# KiCad board uaeficopiedtovfr.kicad_pcb
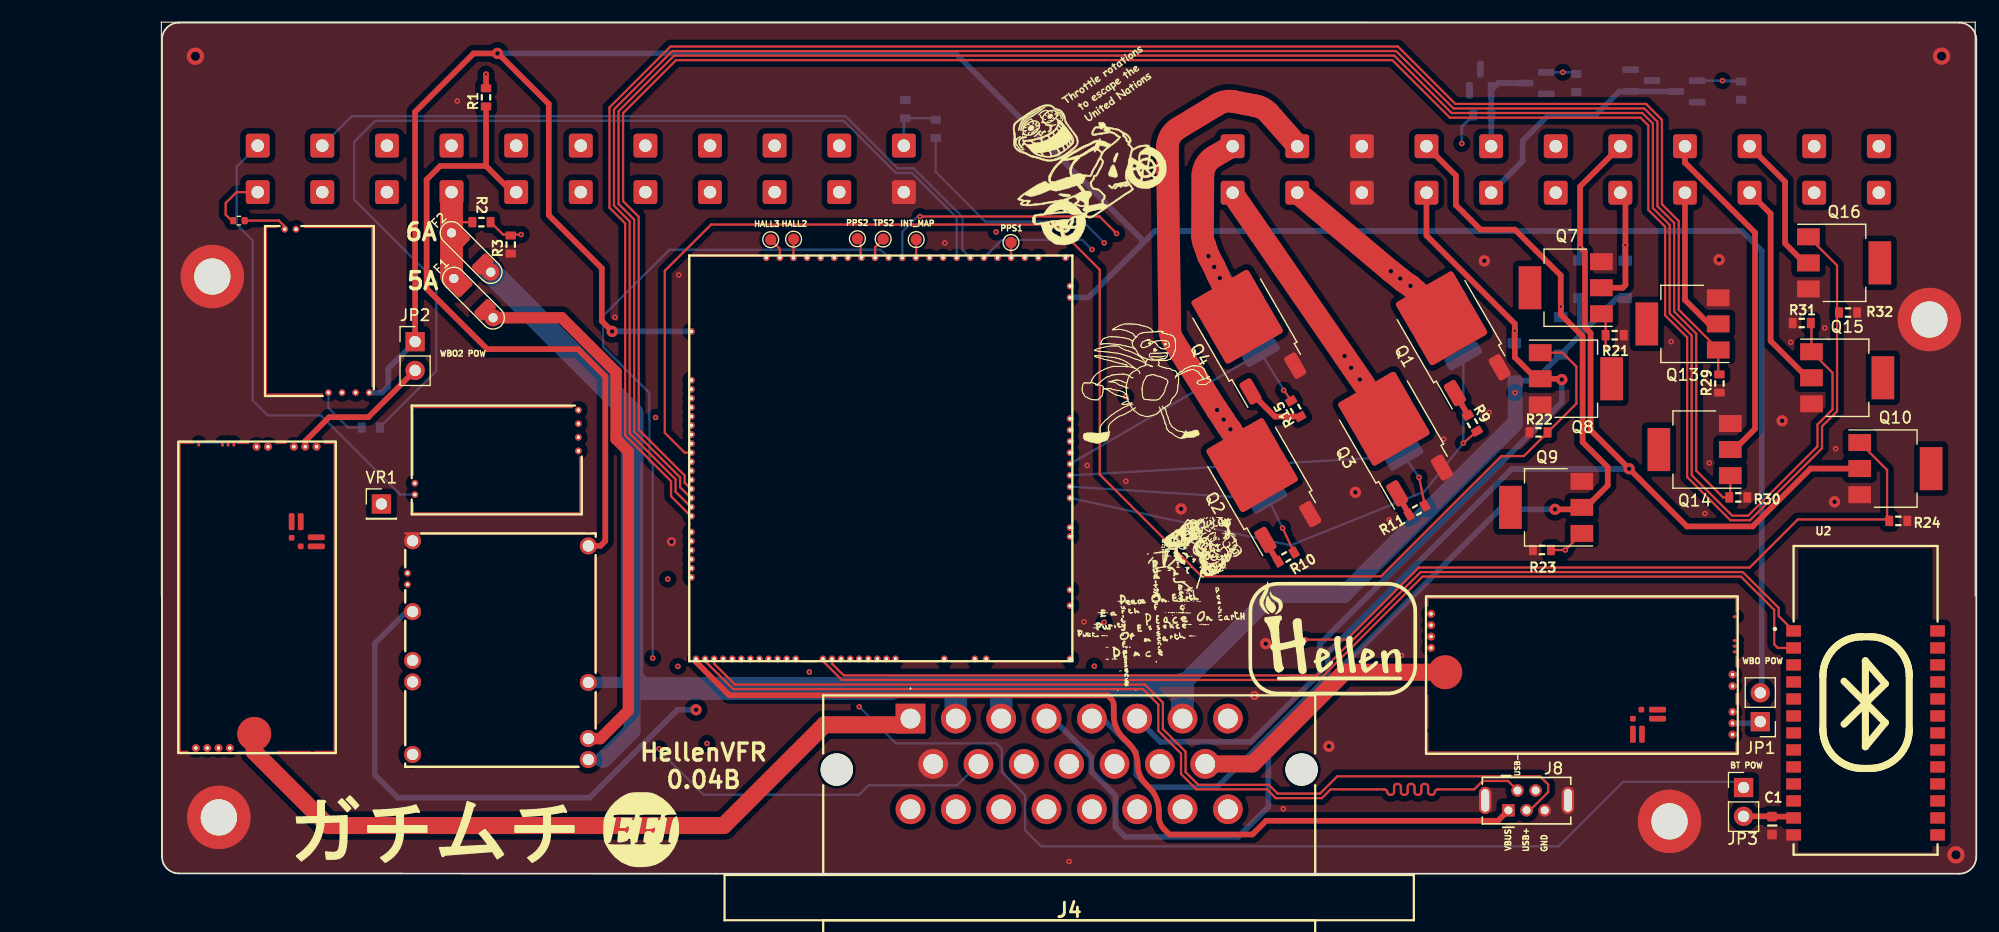
[diagram p0: board, top side]
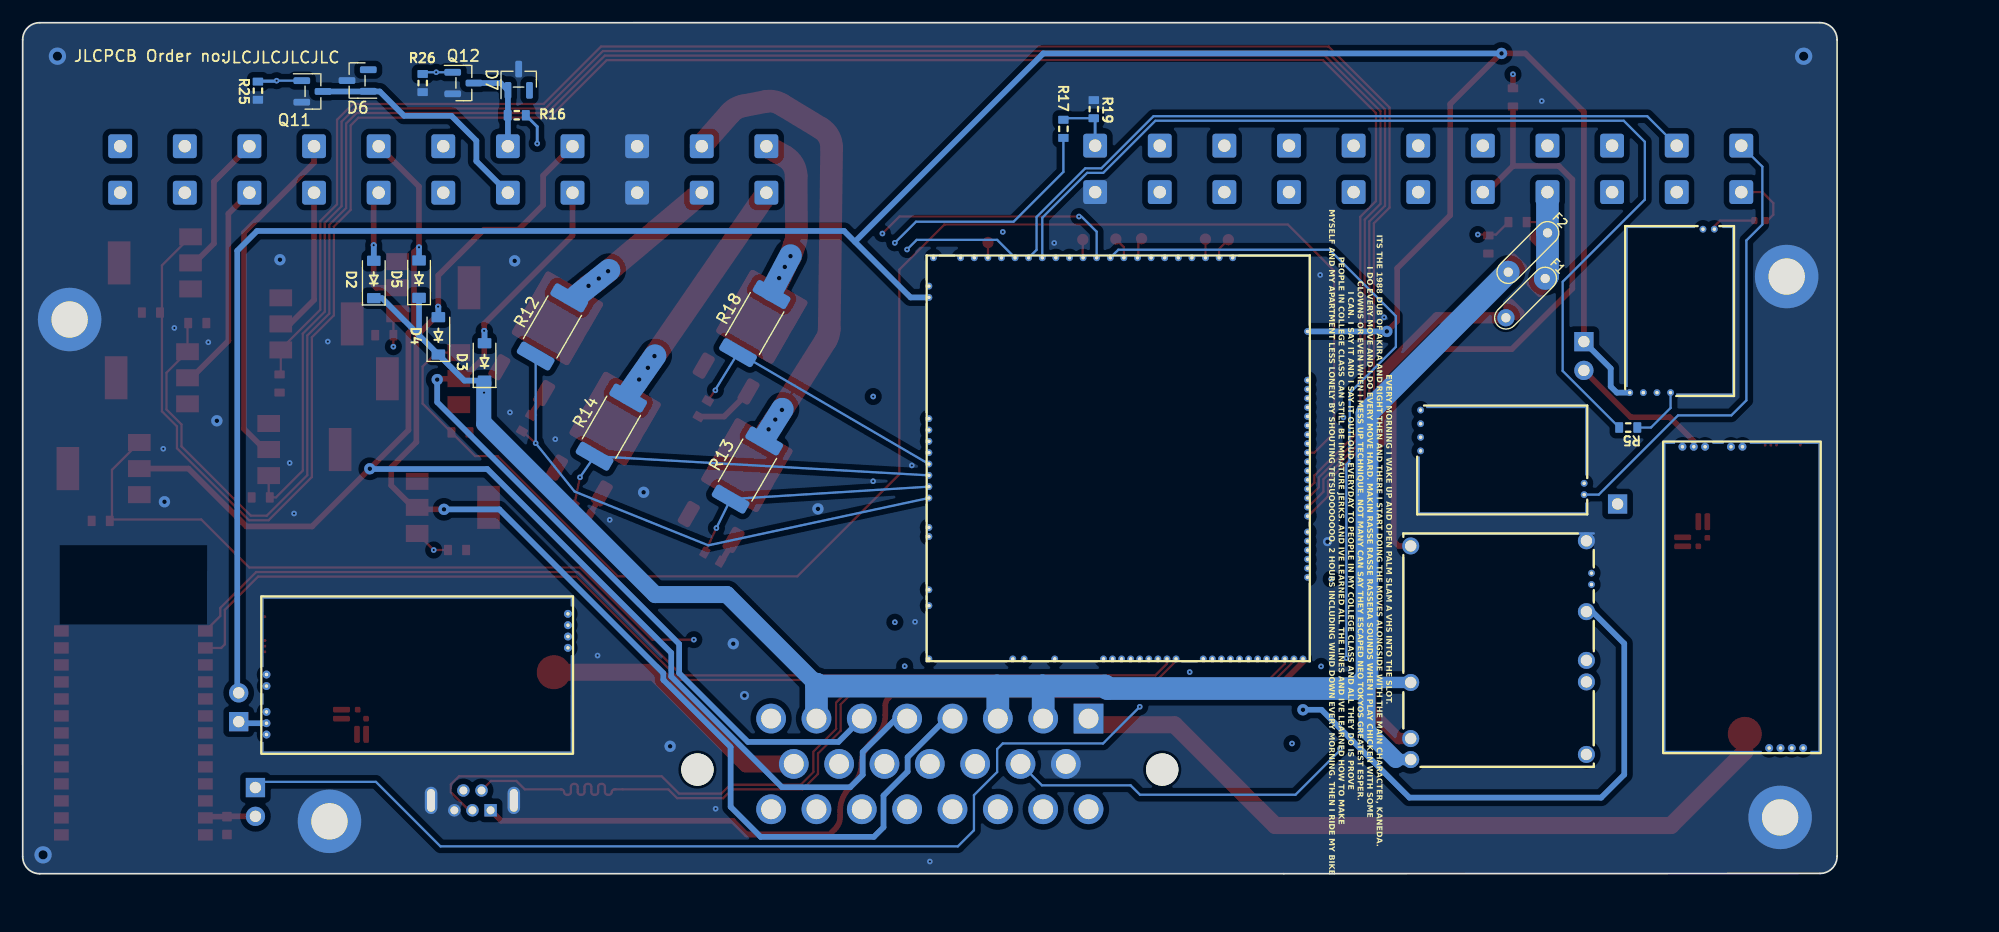
[diagram p1: board, bottom side, seen from below]

Outline 160.05 x 75.1 mm; copper layers: Top, In1.Cu, In2.Cu, Bottom. Coordinates in mm from the lower left corner of the outline.
Outline path: 0,73.6 0,1.52 arc(0.44,0.46) 1.5,0.02 48.8,0 158.54,0 arc(159.6,0.44) 160.04,1.5 160.05,73.6 arc(159.61,74.66) 158.55,75.1 1.5,75.1 arc(0.44,74.66) 0,73.6
Stack: Top 0.035mm / dielectric 0.1mm FR4 er 4.5 / In1.Cu 0.035mm / dielectric 1.24mm FR4 er 4.5 / In2.Cu 0.035mm / dielectric 0.1mm FR4 er 4.5 / Bottom 0.035mm

## Placement (name value [footprint] x y rotation side)
C1  100n  [C0603]  142.03 4.25 90 top
D2  B5819W  [SOD-123]  129.07 52.44 90 bottom
D3  B5819W  [SOD-123]  119.31 45.16 90 bottom
D4  B5819W  [SOD-123]  123.38 47.46 90 bottom
D5  B5819W  [SOD-123]  125.08 52.47 90 bottom
D6  PSM712-LF  [SOT-23]  130.5 70 0 bottom
D7  PSM712-LF  [SOT-23]  116.29 70.07 90 bottom
F1  12H1500D  [PAD-1206-PAD]  27.48 50.79 315 top
F2  12H1500D  [PAD-1206-PAD]  27.27 54.82 315 top
G3  RUSEFI_LOGO  [rusefi_logo]  42.28 3.85 0 top
G4  -  [LOGO]  103.59 20.67 0 top
H1  MountingHole_Pad  [MountingHole_3.2mm_M3_DIN965_Pad#2]  155.91 48.91 0 top
H2  MountingHole_Pad  [MountingHole_3.2mm_M3_DIN965_Pad]  4.45 52.65 0 top
H3  MountingHole_Pad  [MountingHole_3.2mm_M3_DIN965_Pad#2]  132.98 4.62 0 top
H4  MountingHole_Pad  [unnamed]  5.02 4.97 0 top
HALL2  -  [TestPoint_Pad_D1.0mm]  55.72 56 0 top
HALL3  -  [TestPoint_Pad_D1.0mm]  53.7 55.95 0 top
INT_MAP  -  [TestPoint_Pad_D1.0mm]  66.53 55.96 0 top
J4  1-776087-1  [17760871]  66.03 13.69 0 top
J8  USB_B_Mini  [USB-MINI-B-VERTICAL]  120.37 6.47 0 top
JP1  Jumper_2_Bridged  [PinHeader_1x02_P2.54mm_Vertical]  140.99 13.42 180 top
JP2  Jumper_2_Bridged  [PinHeader_1x02_P2.54mm_Vertical]  22.33 46.96 0 top
JP3  Jumper_2_Bridged  [PinHeader_1x02_P2.54mm_Vertical]  139.51 7.6 0 top
M1  Module-power_12and5V-0.2  [power_12and5V]  38.36 30.13 180 top
M3  Module-vr-discrete-0.4  [vr-discrete]  8.99 57.25 270 top
M4  Module-vr-max9924-0.1  [vr-max9924]  21.94 31.61 0 top
M5  Module-wbo-0.5  [wbo]  139.1 24.58 180 top
M6  Module:mega-mcu100/0.2  [mega-mcu100]  80.41 54.66 180 top
M7  Module-wbo-0.5  [wbo]  1.34 38.24 270 top
PPS1  -  [TestPoint_Pad_D1.0mm]  74.9 55.7 0 top
PPS2  -  [TestPoint_Pad_D1.0mm]  61.35 56.04 0 top
Q1  ISL9V3040D3S  [TO-252-2]  113.51 47.92 120 top
Q2  ISL9V3040D3S  [TO-252-2]  96.79 34.96 120 top
Q3  ISL9V3040D3S  [TO-252-2]  108.42 39.07 120 top
Q4  ISL9V3040D3S  [TO-252-2]  95.47 48.06 120 top
Q7  ZXMS6005SGTA  [SOT-223]  123.82 51.71 180 top
Q8  ZXMS6005SGTA  [SOT-223]  124.73 43.68 0 top
Q9  ZXMS6005SGTA  [SOT-223]  122.1 32.33 180 top
Q10  ZXMS6005SGTA  [SOT-223]  152.91 35.75 0 top
Q11  AO3400A  [SOT-23]  134.49 69.03 180 bottom
Q12  AO3400A  [SOT-23]  121.18 69.78 180 bottom
Q13  ZXMS6005SGTA  [SOT-223]  134.13 48.52 180 top
Q14  ZXMS6005SGTA  [SOT-223]  135.19 37.43 180 top
Q15  ZXMS6005SGTA  [SOT-223]  148.66 43.76 0 top
Q16  ZXMS6005SGTA  [SOT-223]  148.39 53.91 0 top
R1  4.7k  [R0603]  28.59 68.51 90 top
R2  33k  [R0603]  28.19 57.5 180 top
R3  6.8k  [R0603]  30.76 55.52 90 top
R5  0  [R0603]  18.42 39.38 0 bottom
R9  22  [R0603]  115.6 39.75 300 top
R10  22  [R0603]  99.18 27.95 30 top
R11  22  [R0603]  110.71 32.08 30 top
R12  0  [R_2512_6332Metric]  113.31 48.25 120 bottom
R13  0  [R_2512_6332Metric]  96.12 35.62 120 bottom
R14  0  [R_2512_6332Metric]  108.12 39.41 120 bottom
R15  22  [R0603]  100.01 41.04 120 top
R16  470k  [R0603]  116.46 66.93 180 bottom
R17  56k  [R0603]  68.25 65.73 270 bottom
R18  0  [R_2512_6332Metric]  95.47 48.55 120 bottom
R19  12k  [R0603]  65.56 67.47 270 bottom
R21  4.7k  [R0603]  128.15 47.53 180 top
R22  4.7k  [R0603]  121.43 38.94 0 top
R23  4.7k  [R0603]  121.73 28.57 0 top
R24  4.7k  [R0603]  153.16 31.14 180 top
R25  4.7k  [R0603]  139.3 69.1 270 bottom
R26  4.7k  [R0603]  124.76 69.78 270 bottom
R29  4.7k  [R0603]  137.39 43.26 90 top
R30  4.7k  [R0603]  139.05 33.21 180 top
R31  4.7k  [R0603]  144.65 48.6 0 top
R32  4.7k  [R0603]  148.73 49.52 180 top
REF**  -  [R_0402_1005Metric]  6.79 57.63 0 top
text1  ~  [trollfaceVFR]  77.45 58.18 5 top
TPS2  TestPoint_Pad_D1.0mm  [TestPoint_Pad_D1.0mm#2]  63.62 56.01 0 top
U1  ~  [VFRboardempty]  -0.05 75.15 0 top
U2  -  [JDY-33]  150.28 15.1 0 top
VR1  -  [PinHeader_1x01_P2.54mm_Vertical]  19.36 32.63 0 top

## Library data of the parts
C1 = -: LCSC: C14663
D2-D5 = -: LCSC: C8598
D6 D7 = -: Datasheet: https://datasheet.lcsc.com/lcsc/1811061632_ProTek-Devices-PSM712-LF-T7_C32677.pdf; LCSC: C32677; ki_fp_filters: SOT?223*
F1 F2 = -: LCSC: C182446
H1 = -: ki_fp_filters: MountingHole*Pad*
H2 H3 = -: Description: Mounting Hole with connection
J4 = -: Datasheet: https://www.te.com/commerce/DocumentDelivery/DDEController?Action=showdoc&DocId=Customer+Drawing%7F776087%7FF%7Fpdf%7FEnglish%7FENG_CD_776087_F.pdf%7F1-776087-1; Description: PCB Mount Header, Right Angle, Wire-to-Board, 23 Position, 4 mm [.157 in] Centerline, Fully Shrouded, Gold, Through Hole - Solder, Sealable, AMPSEAL; Arrow Price/Stock: https://www.arrow.com/en/products/1-776087-1/te-connectivity; Height: 32.1; Manufacturer_Name: TE Connectivity; Mouser Part Number: 571-1-776087-1; Mouser Price/Stock: https://www.mouser.co.uk/ProductDetail/TE-Connectivity-AMP/1-776087-1?qs=X1mjqRbeMc53hFH8ZlEyUw%3D%3D
J8 = -: MyComment: DNP; ki_fp_filters: USB*
JP1-JP3 = -: ki_fp_filters: Jumper* TestPoint*2Pads* TestPoint*Bridge*
M6 = -: FITTED: False; PUBLISHER: qwerty-off; SUPPLIER 1: Mouser; SUPPLIER 2: Digi-Key; SUPPLIER 3: LCSC; SUPPLIER PART NUMBER 1: *; SUPPLIER PART NUMBER 2: *; TYPE: Module; ki_fp_filters: MOD_Hellen_MEGA_MCU100_0.1
Q7-Q10 Q13-Q16 = -: Datasheet: https://www.diodes.com/assets/Datasheets/ds32249.pdf; LCSC: C174042; ki_fp_filters: SOT?223*
Q11 Q12 = -: LCSC: C20917; ki_fp_filters: TO?220*
R1 R5 = -: MyComment: DNP
R2 R17 = -: LCSC: C4216
R3 R19 = -: LCSC: C23212
R9-R11 R15 = -: LCSC: C23345
R12-R14 R18 = -: LCSC: C25469
R16 R21-R26 R29-R32 = -: LCSC: C23162
U2 = -: Datasheet: https://datasheet.lcsc.com/lcsc/2106070033_QIACHIP-WL9981TC_C2689544.pdf; MF: HuiCheng; PARTREV: v1.0; STANDARD: Manufacturer Recommendations

## Footprints (pads in the part's own frame, mm; a bottom-side part is the same pattern mirrored in y, then rotated)
17760871
  round 2.85 hole 2.85 unplated: (-6.5,-4.5) (34.5,-4.5)
  rect 2.625x2.625 hole 1.75: 1(0,0)
  round 2.625 hole 1.75: 2(4,0) 3(8,0) 4(12,0) 5(16,0) 6(20,0) 7(24,0) 8(28,0) 9(2,-4) 10(6,-4) 11(10,-4) 12(14,-4) 13(18,-4) 14(22,-4) 15(26,-4) 16(0,-8) 17(4,-8) 18(8,-8) 19(12,-8) 20(16,-8) 21(20,-8) 22(24,-8) 23(28,-8)
C0603
  rrect 0.85x0.85 smd: 1(-0.79,0) 2(0.79,0)
JDY-33
  rect 1.3x1 smd: 1(-6.35,6.325) 2(-6.35,4.825) 3(-6.35,3.325) 4(-6.35,1.825) 5(-6.35,0.325) 6(-6.35,-1.175) 7(-6.35,-2.675) 8(-6.35,-4.175) 9(-6.35,-5.675) 10(-6.35,-7.175) 11(-6.35,-8.675) 12(-6.35,-10.175) 13(-6.35,-11.675) 14(6.35,-11.675) 15(6.35,-10.175) 16(6.35,-8.675) 17(6.35,-7.175) 18(6.35,-5.675) 19(6.35,-4.175) 20(6.35,-2.675) 21(6.35,-1.175) 22(6.35,0.325) 23(6.35,1.825) 24(6.35,3.325) 25(6.35,4.825) 26(6.35,6.325)
mega-mcu100
  round 0.6 hole 0.3: E1(33.7,6.8) E2(33.7,11.1) E3(33.7,11.9) E4(33.7,12.7) E5(33.7,13.5) E6(33.7,14.3) E7(33.7,15.1) E8(33.7,15.9) E9(33.7,16.7) E10(33.7,17.5) E11(33.7,18.3) E12(33.7,19.1) E13(33.7,19.9) E14(33.7,20.7) E15(33.7,21.5) E16(33.7,22.3) E17(33.7,23.1) E18(33.7,24.5) E19(33.7,25.3) E20(33.7,26.1) E21(33.7,26.9) E22(33.7,27.7) E23(33.7,28.5) N1(33.3,35.7) N2(32.5,35.7) N3(31.7,35.7) N4(30.9,35.7) N5(30.1,35.7) N6(29.3,35.7) N7(28.5,35.7) N8(27.7,35.7) N9(26.9,35.7) N10(26.1,35.7) N11(25.3,35.7) N12(24.5,35.7) N13(22.1,35.7) N14(21.3,35.7) N14a(20.5,35.7) N14b(19.7,35.7) N15(18.9,35.7) N16(18.1,35.7) N17(17.3,35.7) N18(16.5,35.7) N19(15.7,35.7) N20(11.4,35.7) N21(8.7,35.7) N22(7.7,35.7) N23(0.3,35.7) S1(27.1,0.3) S2(25.9,0.3) S3(24.7,0.3) S4(23.5,0.3) S5(22.3,0.3) S6(21.1,0.3) S7(19.9,0.3) S8(18.7,0.3) S9(17.5,0.3) S10(16.3,0.3) S11(15.1,0.3) S12(13.9,0.3) S13(12.7,0.3) S14(11.5,0.3) S15(10.3,0.3) S16(9.1,0.3) S17(7.9,0.3) S18(6.7,0.3) S19(5.5,0.3) S20(4.3,0.3) S21(3.1,0.3) S22(0.7,0.3) W1(0.3,2.8) W2(0.3,3.8) W3(0.3,14.5) W4(0.3,15.5) W5(0.3,16.5) W6(0.3,17.5) W7(0.3,18.5) W8(0.3,19.5) W9(0.3,20.5) W10(0.3,21.5) W11(0.3,24.1) W12(0.3,24.9) W13(0.3,29.6) W14(0.3,31)
  rect 0.2x3.7 smd: G(0.1,33.35) G(0.1,33.35) G(0.1,33.35) G(0.1,27.25) G(0.1,27.25) G(0.1,27.25)
  rect 0.2x3.7 smd far side: G(0.1,33.35) G(0.1,27.25)
  rect 0.2x0.4 smd: G(0.1,30.3) G(0.1,30.3) G(0.1,30.3) G(33.9,23.8) G(33.9,23.8) G(33.9,23.8)
  rect 0.2x0.4 smd far side: G(0.1,30.3) G(33.9,23.8)
  rect 0.2x1.6 smd: G(0.1,22.8) G(0.1,22.8) G(0.1,22.8)
  rect 0.2x1.6 smd far side: G(0.1,22.8)
  rect 0.2x9.7 smd: G(0.1,9.15) G(0.1,9.15) G(0.1,9.15)
  rect 0.2x9.7 smd far side: G(0.1,9.15)
  rect 0.2x2.3 smd: G(0.1,1.15) G(0.1,1.15) G(0.1,1.15)
  rect 0.2x2.3 smd far side: G(0.1,1.15)
  rect 1.4x0.2 smd: G(1.9,0.1) G(1.9,0.1) G(1.9,0.1) G(23.3,35.9) G(23.3,35.9) G(23.3,35.9)
  rect 1.4x0.2 smd far side: G(1.9,0.1) G(23.3,35.9)
  rect 6.4x0.2 smd: G(4,35.9) G(4,35.9) G(4,35.9) G(30.8,0.1) G(30.8,0.1) G(30.8,0.1)
  rect 6.4x0.2 smd far side: G(4,35.9) G(30.8,0.1)
  rect 1.7x0.2 smd: G(10.05,35.9) G(10.05,35.9) G(10.05,35.9)
  rect 1.7x0.2 smd far side: G(10.05,35.9)
  rect 3.3x0.2 smd: G(13.55,35.9) G(13.55,35.9) G(13.55,35.9)
  rect 3.3x0.2 smd far side: G(13.55,35.9)
  rect 0.2x7 smd: G(33.9,32.5) G(33.9,32.5) G(33.9,32.5)
  rect 0.2x7 smd far side: G(33.9,32.5)
  rect 0.2x3.3 smd: G(33.9,8.95) G(33.9,8.95) G(33.9,8.95)
  rect 0.2x3.3 smd far side: G(33.9,8.95)
  rect 0.2x6.3 smd: G(33.9,3.15) G(33.9,3.15) G(33.9,3.15)
  rect 0.2x6.3 smd far side: G(33.9,3.15)
MountingHole_3.2mm_M3_DIN965_Pad
  round 5.6 hole 3.2: 1(0,0.05)
MountingHole_3.2mm_M3_DIN965_Pad#2
  round 5.6 hole 3.2: 1(0,0)
PAD-1206-PAD
  round 1.524 hole 0.813: 1(-2.45,0) 2(2.45,0)
  rrect 1.15x1.8 smd: 1(-1.45,0) 2(1.45,0)
PinHeader_1x01_P2.54mm_Vertical
  rect 1.7x1.7 hole 1: 1(0,0)
PinHeader_1x02_P2.54mm_Vertical
  rect 1.7x1.7 hole 1: 1(0,0)
  oval 1.7x1.7 hole 1: 2(0,-2.54)
power_12and5V
  round 1.5 hole 1: E1(16.25,19.6) E2(16.25,13.2) E3(16.25,11.3) E4(16.25,7) S1(16.25,0.75) V1(0.75,20.05) V2(0.75,18.2) V3(0.75,13.25) V4(0.75,1.2)
  round 0.6 hole 0.3: E5(16.7,4.6) E6(16.7,3.6)
  oval 0.2x3.3 smd: S1(0.1,15.75) S1(0.1,15.75) S1(0.1,15.75)
  oval 0.2x3.3 smd far side: S1(0.1,15.75)
  oval 0.2x10.2 smd: S1(0.1,7.25) S1(0.1,7.25) S1(0.1,7.25)
  oval 0.2x10.2 smd far side: S1(0.1,7.25)
  oval 0.2x0.3 smd: S1(0.1,0.15) S1(0.1,0.15) S1(0.1,0.15) S1(16.9,20.65) S1(16.9,20.65) S1(16.9,20.65)
  oval 0.2x0.3 smd far side: S1(0.1,0.15) S1(16.9,20.65)
  oval 17x0.2 smd: S1(8.5,0.1) S1(8.5,0.1) S1(8.5,0.1)
  oval 17x0.2 smd far side: S1(8.5,0.1)
  oval 15.4x0.2 smd: S1(9.3,20.7) S1(9.3,20.7) S1(9.3,20.7)
  oval 15.4x0.2 smd far side: S1(9.3,20.7)
  oval 0.2x4.8 smd: S1(16.9,16.45) S1(16.9,16.45) S1(16.9,16.45)
  oval 0.2x4.8 smd far side: S1(16.9,16.45)
  oval 0.2x2.6 smd: S1(16.9,9.1) S1(16.9,9.1) S1(16.9,9.1)
  oval 0.2x2.6 smd far side: S1(16.9,9.1)
  oval 0.2x1 smd: S1(16.9,5.6) S1(16.9,5.6) S1(16.9,5.6)
  oval 0.2x1 smd far side: S1(16.9,5.6)
  oval 0.2x1.5 smd: S1(16.9,2.3) S1(16.9,2.3) S1(16.9,2.3)
  oval 0.2x1.5 smd far side: S1(16.9,2.3)
R0603
  rrect 0.7x0.92 smd: 1(-0.8,0) 2(0.8,0)
R_0402_1005Metric
  rrect 0.54x0.64 smd: (-0.51,0) 2(0.51,0)
R_2512_6332Metric
  rrect 1.225x3.35 smd: 1(-2.962,0) 2(2.962,0)
SOD-123
  rrect 0.9x1.2 smd: 1(-1.65,0) 2(1.65,0)
SOT-23
  rrect 1.475x0.6 smd: 1(-0.938,0.95) 2(0.938,0) 3(-0.938,-0.95)
SOT-223
  rect 2x1.5 smd: 1(-3.15,2.3) 2(-3.15,0) 3(-3.15,-2.3)
  rect 2x3.8 smd: 4(3.15,0)
TestPoint_Pad_D1.0mm
  round 1 smd: 1(0,0)
TestPoint_Pad_D1.0mm#2
  round 1 smd: (0,0)
TO-252-2
  rrect 2.2x1.2 smd: 1(-5.04,2.28) 3(-5.04,-2.28)
  rrect 3.05x2.75 smd: 2(-0.415,-1.525) 2(-0.415,1.525) 2(2.935,-1.525) 2(2.935,1.525)
  rrect 6.4x5.8 smd: 2(1.26,0)
unnamed
  round 5.6 hole 3.2: 1(0,0)
USB-MINI-B-VERTICAL
  rect 1.1x1.1 hole 0.7: 1(-1.6,-0.875)
  round 1.1 hole 0.7: 2(-0.8,0.875) 3(0,-0.875) 4(0.8,0.875) 5(1.6,-0.875)
  oval 1.1x2.4 hole 0.7x2: 6(-3.65,0) 6(3.65,0)
VFRboardempty
  rrect 2.1x2.1 hole 1.1: A1(151.5,-15.05) A2(145.8,-15.05) A3(140.1,-15.05) A4(134.4,-15.05) A5(128.7,-15.05) A6(123,-15.05) A7(117.3,-15.05) A8(111.6,-15.05) A9(105.9,-15.05) A10(100.2,-15.05) A11(94.5,-15.05) A12(151.5,-10.95) A13(145.8,-10.95) A14(140.1,-10.95) A15(134.4,-10.95) A16(128.7,-10.95) A17(123,-10.95) A18(117.3,-10.95) A19(111.6,-10.95) A20(105.9,-10.95) A21(100.2,-10.95) A22(94.5,-10.95) B1(65.5,-15) B2(59.8,-15) B3(54.1,-15) B4(48.4,-15) B5(42.7,-15) B6(37,-15) B7(31.3,-15) B8(25.6,-15) B9(19.9,-15) B10(14.2,-15) B11(8.5,-15) B12(65.5,-10.9) B13(59.8,-10.9) B14(54.1,-10.9) B15(48.4,-10.9) B16(42.7,-10.9) B17(37,-10.9) B18(31.3,-10.9) B19(25.6,-10.9) B20(19.9,-10.9) B21(14.2,-10.9) B22(8.5,-10.9)
vr-discrete
  round 0.6 hole 0.3: E1(14.8,6.9) E2(14.8,5.7) E3(14.8,8.1) E4(14.8,9.3) W1(0.375,2.84) W2(0.375,1.84)
  rect 0.25x6.185 smd: G(0.15,6.633) G(0.15,6.633) G(0.15,6.633)
  rect 0.25x6.185 smd far side: G(0.15,6.633)
  rect 0.25x1.115 smd: G(0.15,0.583) G(0.15,0.583) G(0.15,0.583)
  rect 0.25x1.115 smd far side: G(0.15,0.583)
  rect 14.275x0.25 smd: G(7.162,9.6) G(7.162,9.6) G(7.162,9.6)
  rect 14.275x0.25 smd far side: G(7.162,9.6)
  rect 15.1x0.25 smd: G(7.575,0.15) G(7.575,0.15) G(7.575,0.15)
  rect 15.1x0.25 smd far side: G(7.575,0.15)
  rect 0.25x5.175 smd: G(15,2.612) G(15,2.612) G(15,2.612)
  rect 0.25x5.175 smd far side: G(15,2.612)
vr-max9924
  round 0.6 hole 0.3: E1(14.8,6.9) E2(14.8,5.7) E3(14.8,8.1) E4(14.8,9.3) W1(0.375,2.84) W2(0.375,1.84)
  rect 0.25x6.185 smd: G(0.15,6.633) G(0.15,6.633) G(0.15,6.633)
  rect 0.25x6.185 smd far side: G(0.15,6.633)
  rect 0.25x1.115 smd: G(0.15,0.583) G(0.15,0.583) G(0.15,0.583)
  rect 0.25x1.115 smd far side: G(0.15,0.583)
  rect 14.275x0.25 smd: G(7.162,9.6) G(7.162,9.6) G(7.162,9.6)
  rect 14.275x0.25 smd far side: G(7.162,9.6)
  rect 15.1x0.25 smd: G(7.575,0.15) G(7.575,0.15) G(7.575,0.15)
  rect 15.1x0.25 smd far side: G(7.575,0.15)
  rect 0.25x5.175 smd: G(15,2.612) G(15,2.612) G(15,2.612)
  rect 0.25x5.175 smd far side: G(15,2.612)
wbo
  round 0.7 hole 0.3: E1(27.15,1.65) E2(27.15,4.65) E3(27.15,3.65) E4(27.15,2.65) W1(0.559,11.3) W2(0.559,10.3) W3(0.559,7.004) W4(0.559,8.02) W9(0.559,12.3)
  round 3 smd: E5(25.9,6.8)
  rect 0.25x3 smd: E6(27.525,10.3)
  rect 0.25x1.1 smd: G(0.175,13.5) G(0.175,13.5) G(0.175,13.5) G(0.175,13.5) G(0.175,13.5)
  rect 0.25x1.1 smd far side: G(0.175,13.5)
  rect 0.25x0.98 smd: G(0.175,9.16) G(0.175,9.16) G(0.175,9.16) G(0.175,5.86)
  rect 0.25x0.98 smd far side: G(0.175,9.16)
  rect 0.25x6.3 smd far side: G(0.175,3.2)
  rect 0.25x6.3 smd: G(0.175,3.2) G(0.175,3.2)
  rect 0.25x1.45 smd: G(0.175,0.775)
  rect 27.6x0.25 smd: G(13.85,13.925) G(13.85,13.925) G(13.85,13.925) G(13.85,0.175) G(13.85,0.175) G(13.85,0.175)
  rect 27.6x0.25 smd far side: G(13.85,13.925) G(13.85,0.175)
  rect 0.25x1.95 smd: G(27.525,13.075)
  rect 0.25x8.75 smd far side: G(27.525,9.675)
  rect 0.25x8.75 smd: G(27.525,9.675) G(27.525,9.675)
  rect 0.25x0.95 smd: G(27.525,0.525) G(27.525,0.525) G(27.525,0.525)
  rect 0.25x0.95 smd far side: G(27.525,0.525)
  rrect 0.5x1.5 smd: J1(9.35,12.275) J_GND1(8.55,12.275)
  rrect 1.5x0.5 smd: J2(7.175,10.1) J_VCC2(7.175,10.9)
  rrect 0.5x0.5 smd: J_GND2(8.6,10.1) J_VCC1(9.35,10.9)
  rrect 0.5x0.25 smd: W5(0.3,5) W6(0.3,4.5) W7(0.3,4) W8(0.3,1.9)
